# Altium PCB _tracker.PcbDoc (part 2 of 2)
Units mm, origin at the board's own origin, x right, y up, seen from the top; angles counter-clockwise.
Board outline 53 x 30 mm, 4 copper layers (Top Layer, Mid-Layer 1, Mid-Layer 2, Bottom Layer), stack 0.776 mm thick; 83 components, 94 nets, 465 pads, 345 vias.
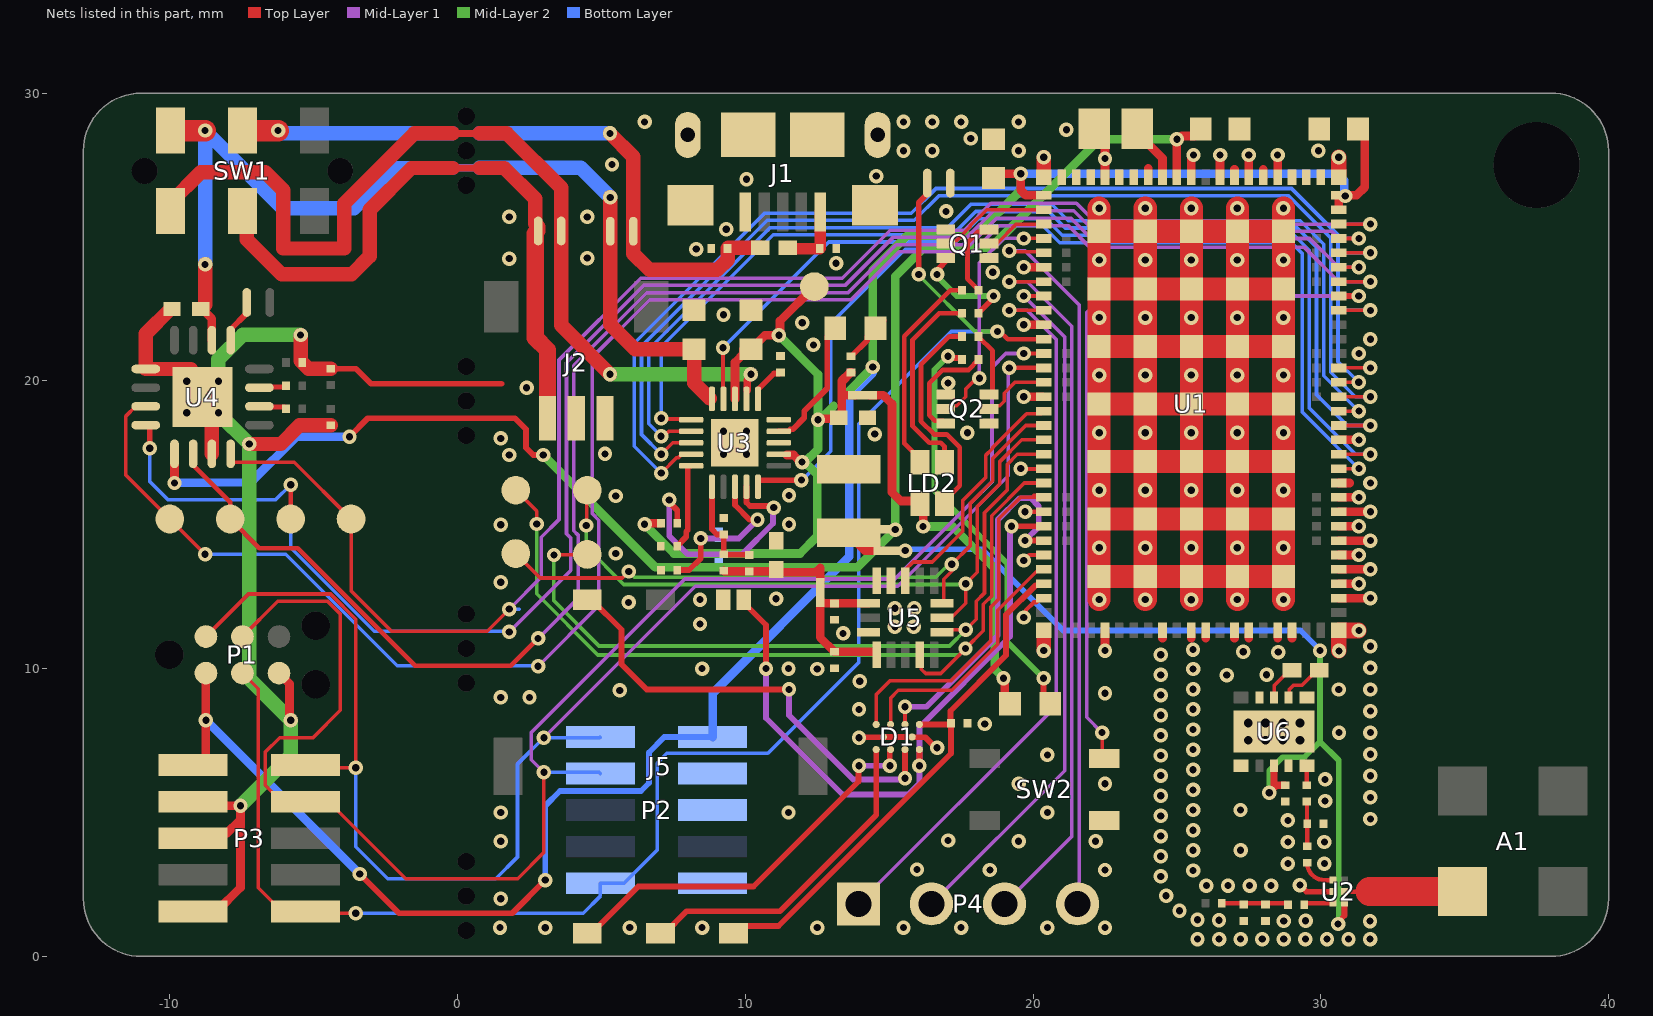
[diagram p4: the nets of this part, all layers, seen from the top]

## Via types
v1: diameter 0.5, hole 0.25, Top Layer to Bottom Layer, tented both sides, 336 vias
v2: diameter 0.61, hole 0.305, Top Layer to Bottom Layer, tented both sides, 8 vias
v3: diameter 0.5, hole 0.25, Top Layer to Bottom Layer, tented top, 1 vias

## Nets (pads, with @x,y where several pads share a name; then routed paths per layer and width w, separated by ;. In a path a pad name is that pad's centre, name@x,y a point inside that pad or via, vN(x,y) a via of type N, cw(c..) or ccw(c..) an arc to the next point about the centre after c; other vN are vias at no path point) (continued)
GND: C1.2 C2.2 C3.2 C4.2 C5.2 C6.2 C7.2 C8.2 C9.2 C10.2 C11.2 C14.2 C15.2 C16.2 C17.2 C18.2 C19.1 C20.2 D1.B1 D1.B2 J1.5 J1.6@8.001,28.55 J1.6@8.101,26.1 J1.6@10.101,28.55 J1.6@12.501,28.55 J1.6@14.501,26.1 J1.6@14.601,28.55 J2.1 J5.C5 L2.1 L5.1 NT1.1 P1.5 P2.3 P2.5 P2.9 P3.3 P3.5 P3.9 Q1.1 Q1.4 Q2.1 Q2.4 R2.1 R3.1 R7.1 RESET.1 SW2.1 U1.1 U1.5 U1.6 U1.7 U1.8 U1.9 U1.11 U1.14 U1.17 U1.21 U1.27 U1.31 U1.36 U1.41 U1.44 U1.47 U1.50 U1.52 U1.56 U1.60 U1.62 U1.63 U1.65 U1.66 U1.68 U1.69 U1.72 U1.74 U1.75 U1.76 U1.77 U1.78 U1.79 U1.80 U1.81 U1.82 U1.85 U1.90 U1.94 U1.98 U1.103 U2.2 U3.15 U4.3 U4.13 U4.17 U5.12 U5.13 U5.16 U6.1 U6.4 U6.6 U6.9 U6.11 | length 199
  Top Layer w0.125: U1.90@30.62,20.45 v1(31.725,20.45) ; U1.94@30.62,22.45 v1(31.725,22.45) ; U1.98@30.62,24.45 v1(31.725,24.45)
  Top Layer w0.152: U4.17@-8.537,18.889 v1(-8.312,18.889) ; v1(19.575,16.95) 19.588,16.937 20.367,16.937 U1.41@20.38,16.95 ; v1(19.675,11.775) 19.742,11.842 19.742,12.016 20.027,12.301 20.111,12.301 20.26,12.45 U1.50@20.38,12.45 ; v1(19.675,13.756) 19.869,13.95 U1.47@20.38,13.95 U1.47@20.308,13.878 ; v1@19.755,15.42 v1(19.725,15.45) U1.44@20.38,15.45 U1.44@20.308,15.378 ; U1.36@20.308,19.378 U1.36@20.38,19.45 ; U1.31@20.308,21.878 U1.31@20.38,21.95
  Top Layer w0.194: v1(29.275,2.475) 29.5,2.25 U2.2@30.425,2.25
  Top Layer w0.2: C19.1@-4.405,20.424 -3.533,20.424 -3.009,19.9 1.525,19.9 ; v1(13.95,7.6) 13.965,7.615 14.79,7.615 D1.B1@14.8,7.625 D1.B2@15.8,7.625 15.81,7.615 16.255,7.615 16.621,7.25 v1(16.668,7.25)
  Top Layer w0.3: P3.9@-9.192,1.565 -8.372,1.565 -7.542,2.395 -7.542,4.755 ; P3.5@-9.192,4.105 -9.037,4.26 -8.037,4.26 -7.542,4.755 ; P3.3@-9.192,5.375 -9.067,5.25 -8.037,5.25 -8.023,5.236 v1(-7.542,5.236) -7.542,4.755 ; P1.5@-6.205,9.844 -5.838,9.478 -5.838,8.247 v1(-5.8,8.208) ; v1(19.675,19.45) U1.36@20.33,19.45 ; v1(19.675,21.95) U1.31@20.332,21.95 ; v1(19.675,23.95) U1.27@20.38,23.95 ; v1(22.5,10.625) U1.56@22.5,11.33 ; U1.17@22.5,27.07 22.5,27.35 C5.2@22.5,28.15 ; v1(23.9,26) 23.9,26.054 v1@24,26.154 ; U1.14@24,27.07 24,27.39 ; 24.5,11.05 U1.60@24.5,11.33 ; 25.5,11.05 U1.62@25.5,11.33 ; U1.11@25.5,27.07 25.5,27.35 25.5,27.775 v1(25.575,27.85) ; 26,11.05 U1.63@26,11.33 ; U1.9@26.5,27.07 26.5,27.35 v1(26.5,27.85) ; 27,11.05 U1.65@27,11.33 ; U1.8@27,27.07 27,27.35 ; 27.5,11.05 U1.66@27.5,11.33 ; U1.7@27.5,27.07 v1(27.5,27.85) ; U1.6@28,27.07 28,27.35 ; 28.5,11.05 U1.68@28.5,11.33 ; U1.5@28.5,27.07 v1(28.5,27.85) ; 29,11.05 U1.69@29,11.33 ; U1.74@30.62,12.45 v1(31.725,12.45) ; U1.75@30.62,12.95 v1(31.325,12.95) ; U1.76@30.62,13.45 v1(31.725,13.45) ; U1.77@30.62,13.95 v1(31.325,13.95) ; U1.78@30.62,14.45 v1(31.725,14.45) ; U1.80@30.62,15.45 31.025,15.45 v1(31.725,15.45) ; U1.81@30.62,15.95 v1(31.325,15.95) ; U1.82@30.62,16.45 31,16.45 ; U1.85@30.62,17.95 v1(31.325,17.95) ; 30.9,14.95 U1.79@30.62,14.95 v1(31.325,14.95)
  Top Layer w0.5: C17.2@-9.925,22.5 -9.975,22.5 -10.837,21.638 U4.13@-10.837,20.414 -9.273,20.414 -9.273,19.85 U4.17@-8.862,19.439 ; U4.3@-8.537,17.464 -8.537,18.889 U4.17@-8.537,19.114 ; v1(-7.242,17.807) -6.139,17.807 -5.491,18.454 C20.2@-4.405,18.454 ; v1(-5.455,21.595) -5.455,20.699 C18.2@-5.395,20.639 -5.18,20.424 C19.1@-4.405,20.424 ; v1(20.375,10.625) U1.52@20.375,11.325 ; U1.21@20.375,27.075 v1(20.375,27.775)
  Top Layer w0.54: U1.72@30.62,11.33 U1.72@30.625,11.325 ; U1.1@30.625,27.075 v1(30.625,27.775) ; v1(30.632,10.617) 30.632,11.318 U1.72@30.625,11.325 ; v1(31.325,11.325) U1.72@30.625,11.325
  Top Layer w0.8: U4.17@-8.862,19.439 U4.17@-8.537,19.114 ; v1(22.3,12.4) U1.103@22.3,13.2 ; v1(22.3,26) U1.103@22.3,25.2 ; v1(23.9,12.4) U1.103@23.9,13.2 ; v1(23.9,26) U1.103@23.9,25.2 ; v1@25.5,12.4 U1.103@25.5,13.2 ; v1(25.5,26) U1.103@25.5,25.2 ; v1(27.1,12.4) U1.103@27.1,13.2 ; v1(27.1,26) U1.103@27.1,25.2 ; v1(28.7,12.4) U1.103@28.7,13.2 ; v1(28.7,26) U1.103@28.7,25.2 ; U1.103@22.3,13.2 v1(22.3,14.2) U1.103@22.3,15.2 ; U1.103@22.3,13.2 U1.103@23.9,13.2 ; U1.103@22.3,15.2 U1.103@23.9,15.2 ; U1.103@22.3,15.2 v1(22.3,16.2) U1.103@22.3,17.2 ; U1.103@22.3,17.2 U1.103@23.9,17.2 ; U1.103@22.3,17.2 v1(22.3,18.2) U1.103@22.3,19.2 ; U1.103@22.3,19.2 U1.103@23.9,19.2 ; U1.103@22.3,19.2 v1(22.3,20.2) U1.103@22.3,21.2 ; U1.103@22.3,21.2 U1.103@23.9,21.2 ; U1.103@22.3,21.2 v1(22.3,22.2) U1.103@22.3,23.2 ; U1.103@22.3,23.2 U1.103@23.9,23.2 ; U1.103@22.3,23.2 v1(22.3,24.2) U1.103@22.3,25.2 ; U1.103@22.3,25.2 U1.103@23.9,25.2 ; U1.103@23.9,13.2 U1.103@25.5,13.2 ; U1.103@23.9,13.2 v1(23.9,14.2) U1.103@23.9,15.2 ; U1.103@23.9,15.2 v1(23.9,16.2) U1.103@23.9,17.2 ; U1.103@23.9,15.2 U1.103@25.5,15.2 ; U1.103@23.9,17.2 U1.103@25.5,17.2 ; U1.103@23.9,17.2 v1(23.9,18.2) U1.103@23.9,19.2 ; U1.103@23.9,19.2 v1(23.9,20.2) U1.103@23.9,21.2 ; U1.103@23.9,19.2 U1.103@25.5,19.2 ; U1.103@23.9,21.2 U1.103@25.5,21.2 ; U1.103@23.9,21.2 v1(23.9,22.2) U1.103@23.9,23.2 ; U1.103@23.9,23.2 v1(23.9,24.2) U1.103@23.9,25.2 ; U1.103@23.9,23.2 U1.103@25.5,23.2 ; U1.103@23.9,25.2 U1.103@25.5,25.2 ; U1.103@25.5,13.2 v1(25.5,14.2) U1.103@25.5,15.2 ; U1.103@25.5,13.2 U1.103@27.1,13.2 ; U1.103@25.5,15.2 U1.103@27.1,15.2 ; U1.103@25.5,15.2 v1(25.5,16.2) U1.103@25.5,17.2 ; U1.103@25.5,17.2 U1.103@27.1,17.2 ; U1.103@25.5,17.2 v1(25.5,18.2) U1.103@25.5,19.2 ; U1.103@25.5,19.2 v1(25.5,20.2) U1.103@25.5,21.2 ; U1.103@25.5,19.2 U1.103@27.1,19.2 ; U1.103@25.5,21.2 U1.103@27.1,21.2 ; U1.103@25.5,21.2 v1(25.5,22.2) U1.103@25.5,23.2 ; U1.103@25.5,23.2 U1.103@27.1,23.2 ; U1.103@25.5,23.2 v1(25.5,24.2) U1.103@25.5,25.2 ; U1.103@25.5,25.2 U1.103@27.1,25.2 ; U1.103@27.1,13.2 U1.103@28.7,13.2 ; U1.103@27.1,13.2 v1(27.1,14.2) U1.103@27.1,15.2 ; U1.103@27.1,15.2 v1(27.1,16.2) U1.103@27.1,17.2 ; U1.103@27.1,15.2 U1.103@28.7,15.2 ; U1.103@27.1,17.2 U1.103@28.7,17.2 ; U1.103@27.1,17.2 v1(27.1,18.2) U1.103@27.1,19.2 ; U1.103@27.1,19.2 v1(27.1,20.2) U1.103@27.1,21.2 ; U1.103@27.1,19.2 U1.103@28.7,19.2 ; U1.103@27.1,21.2 U1.103@28.7,21.2 ; U1.103@27.1,21.2 v1(27.1,22.2) U1.103@27.1,23.2 ; U1.103@27.1,23.2 U1.103@28.7,23.2 ; U1.103@27.1,23.2 v1(27.1,24.2) U1.103@27.1,25.2 ; U1.103@27.1,25.2 U1.103@28.7,25.2 ; U1.103@28.7,13.2 v1(28.7,14.2) U1.103@28.7,15.2 ; U1.103@28.7,15.2 v1(28.7,16.2) U1.103@28.7,17.2 ; U1.103@28.7,17.2 v1(28.7,18.2) U1.103@28.7,19.2 ; U1.103@28.7,19.2 v1(28.7,20.2) U1.103@28.7,21.2 ; U1.103@28.7,21.2 v1(28.7,22.2) U1.103@28.7,23.2 ; U1.103@28.7,23.2 v1(28.7,24.2) U1.103@28.7,25.2
  Mid-Layer 1 w0.125: 30.632,24.451 30.634,24.45 v1(31.725,24.45) ; 30.643,22.45 v1(31.725,22.45)
  Mid-Layer 2 w0.125: 30.632,22.45 v1(31.725,22.45) ; 30.638,24.45 v1(31.725,24.45)
  Mid-Layer 2 w0.5: v1(-8.312,18.889) -8.312,18.877 v1(-7.242,17.807) -7.242,9.65 v1(-5.8,8.208) -5.8,6.978 v1(-7.542,5.236) ; v1(-8.312,19.989) -8.312,20.748 -7.459,21.601 -5.461,21.601 v1(-5.455,21.595)
  other v1: 25.715,0.6 26.465,0.6 27.215,0.6 27.965,0.6 28.715,0.6 29.465,0.6 30.215,0.6 30.965,0.6 31.715,0.6 1.476,1 3.05,0.995 5.984,1 8.5,1 12.5,1 15.5,1 17.5,1 20.5,1 22.5,1 28.712,1.23 29.473,1.235 31.712,1.225 26.462,1.257 25.715,1.269 25.089,1.583 1.5,2 24.624,2.105 26.025,2.459 26.775,2.459 27.525,2.459 28.275,2.459 24.439,2.781 25.564,2.985 15.967,3.019 18.5,3 22.5,3 28.859,3.225 30.125,3.225 24.436,3.481 25.564,3.685 27.216,3.685 28.859,3.975 30.125,3.975 1.5,4 19.5,4 22.175,4 17.05,4.025 24.436,4.18 25.564,4.385 28.859,4.725 31.725,4.775 24.436,4.88 1.5,5 11.5,5 20.5,5 25.564,5.085 27.212,5.085 30.149,5.4 31.725,5.525 24.436,5.58 25.564,5.785 19.5,6 22.5,6 30.149,6.15 24.436,6.28 31.725,6.275 25.564,6.485 24.436,6.98 20.5,7 31.725,7.025 25.564,7.185 24.436,7.68 30.632,7.775 31.725,7.775 25.564,7.885 18.325,8.075 24.436,8.38 31.725,8.525 13.95,8.581 25.564,8.585 1.5,9 2.5,9 24.436,9.08 22.5,9.142 5.634,9.243 25.564,9.285 30.625,9.275 31.725,9.275 13.975,9.561 26.733,9.775 24.436,9.78 28.116,9.789 8.5,10 11.5,10 12.5,9.985 25.564,9.985 31.725,10.025 24.436,10.48 27.305,10.585 28.525,10.575 25.558,10.659 31.725,10.775 13.4,11.225 15.2,11.45 15.85,11.45 8.425,11.551 15.2,12.1 15.875,12.1 5.944,12.3 8.425,12.4 25.5,12.395 11.07,12.426 1.5,13 5.5,14 1.5,15 5.5,16 31.725,16.45 1.8,17.425 5.125,17.464 1.5,18 14.501,18.15 17.719,18.2 -9.412,18.889 2.4,19.764 17.05,19.925 -9.412,19.989 31.325,20.95 12.368,21.249 31.725,21.45 11.977,22.018 9.242,22.3 18.6,23.775 13.155,24.089 1.793,24.25 4.51,24.267 8.294,24.578 9.338,25.267 1.8,25.7 4.51,25.7 16.978,25.89 10.042,27.008 14.548,27.117 5.366,27.519 22.5,27.725 15.5,28 16.5,28 19.5,28 29.918,28 17.838,28.424 21.16,28.724 6.5,29 15.5,29 16.5,29 17.5,29 19.5,29
  other v2: 27.476,7.513 28.076,7.513 28.676,7.513 29.276,7.513 27.476,8.113 28.076,8.113 28.676,8.113 29.276,8.113
GPS_RF: R13.2 U2.1 | length 1.2
  Top Layer w0.15: R13.2@29.525,3.255 ccw(c30.13,3.255) 30.13,2.65 U2.1@30.425,2.65
LTE_RF: L3.2 U2.3 | length 1
  Top Layer w0.15: L3.2@29.429,1.8 29.429,1.85 U2.3@30.425,1.85
NetC1_1: C1.1 L2.2 L3.1 R12.2 | length 2.4
  Top Layer w0.15: R12.2@26.56,1.85 C1.1@27.325,1.85 ; C1.1@27.325,1.8 C1.1@27.325,1.85 ; L2.2@28.078,1.8 L2.2@28.078,1.85 ; L3.1@28.859,1.8 28.859,1.85 L2.2@28.078,1.85 ; C1.1@27.325,1.85 L2.2@28.078,1.85
NetC5_1: C5.1 U1.13 | length 2.1
  Top Layer w0.3: C5.1@23.626,28.762 23.626,28.612 24.5,27.738 U1.13@24.5,27.07
NetC10_1: C10.1 FB1.1 J1.1 | length 2.4
  Top Layer w0.4: FB1.1@11.475,24.625 11.5,24.6 C10.1@12.59,24.6 12.601,24.611 J1.1@12.601,25.875
NetC12_2: C12.2 R4.1 R5.2 U3.6 | length 3.4
  Top Layer w0.2: U3.6@8.842,16.322 8.842,14.84 9.018,14.664 R5.2@9.252,14.664 R4.1@9.252,13.973 ; R4.1@9.385,13.96 10.11,13.96 C12.2@10.122,13.948
NetD1_C1: D1.C1 J5.C2 | length 11.5
  Top Layer w0.2: J5.C2@7.05,0.805 7.2,0.805 7.96,1.565 11.203,1.565 14.55,4.912 D1.C1@14.55,7.19
NetD1_C2: D1.C2 J5.C3 | length 13.8
  Top Layer w0.2: J5.C3@4.51,0.805 4.66,0.805 6.28,2.425 10.283,2.425 13.933,6.075 13.933,6.608 v1(13.95,6.625) ; v1(15.025,6.625) 15.025,7.165 D1.C2@15.05,7.19
  Mid-Layer 1 w0.2: v1(13.95,6.625) v1(15.025,6.625)
NetD1_C3: D1.C3 J5.C7 | length 15.9
  Top Layer w0.2: J5.C7@4.51,12.395 4.66,12.395 5.7,11.355 5.7,10.15 6.573,9.277 v1(11.52,9.277) ; v1(15.55,6.193) D1.C3@15.55,7.19
  Mid-Layer 1 w0.2: v1(11.52,9.277) 11.52,8.383 13.753,6.15 15.507,6.15 v1(15.55,6.193)
NetL1_1: L1.1 U3.13
NetL4_1: L4.1 U6.5 | length 0.7
  Top Layer w0.15: L4.1@29.516,5.952 U6.5@29.516,6.621
  Top Layer w0.194: L4.1@29.511,5.948 L4.1@29.516,5.952 ; U6.5@29.516,6.621 U6.5@29.52,6.625
NetL4_2: L4.2 L5.2 R13.1 | length 1.6
  Top Layer w0.15: L4.2@29.511,5.378 29.519,5.37 29.519,4.62 L5.2@29.526,4.613 ; R13.1@29.525,3.825 L5.2@29.526,4.613
NetL6_1: L6.1 U6.7 | length 1.6
  Top Layer w0.125: U6.7@28.876,9 28.9,9.024 28.9,9.275 29.05,9.425 29.35,9.425 29.875,9.95 L6.1@29.95,9.95
NetL6_2: L6.2 U6.8 | length 1.3
  Top Layer w0.125: U6.8@28.376,9 28.376,9.401 28.925,9.95 L6.2@29,9.95
NetLD1_1: LD1.1 R11.2 | length 14.5
  Top Layer w0.2: v1(17.043,20.853) 17.125,20.853 17.186,20.792 17.499,20.792 17.534,20.757 R11.2@17.534,20.742 ; v1(20.367,9.667) 20.367,9.006 LD1.1@20.598,8.775
  Mid-Layer 2 w0.2: v1(17.043,20.853) 16.575,20.385 16.575,16.184 19.1,13.659 19.1,10.934 v1(20.367,9.667)
NetLD2_1: LD2.1 R8.2 | length 7.3
  Top Layer w0.165: LD2.1@16.075,17.175 16.075,17.275 15.525,17.825 15.525,21.548 17.126,23.149 R8.2@17.534,23.149
NetLD2_2: LD2.2 R9.2 | length 7
  Top Layer w0.165: LD2.2@16.925,17.175 16.925,17.717 16.791,17.851 16.392,17.851 15.815,18.427 15.815,21.427 16.734,22.346 R9.2@17.534,22.346
NetLD2_3: LD2.3 R10.2 | length 7.7
  Top Layer w0.165: LD2.3@16.925,15.725 16.925,15.825 17.458,16.358 17.458,17.686 17.003,18.141 16.56,18.141 16.105,18.596 16.105,20.562 17.087,21.544 R10.2@17.534,21.544
NetLD3_1: LD3.1 U3.14 | length 4.6
  Top Layer w0.2: U3.14@11.167,18.247 11.492,18.247 11.567,18.322 11.656,18.322 12.05,18.716 12.05,18.95 12.846,19.746 12.846,21.544 LD3.1@13.127,21.825
NetLD3_2: LD3.2 R6.2 | length 1.7
  Top Layer w0.2: R6.2@13.675,20.86 13.69,20.86 14.242,21.412 14.242,21.544 LD3.2@14.523,21.825 14.523,21.829 LD3.2@14.804,22.11
NetQ1_3: Q1.3 R9.1 | length 4
  Top Layer w0.2: v1(16.668,23.702) 16.668,23.858 17.077,24.267 Q1.3@16.969,24.267 Q1.3@16.95,24.267 ; R9.1@18.104,22.346 18.104,22.361 18.626,22.883 v1(18.626,22.951)
  Mid-Layer 2 w0.2: v1(16.668,23.702) 16.668,23.632 17.349,22.951 v1(18.626,22.951)
NetQ1_6: Q1.6 R8.1 | length 2.7
  Top Layer w0.165: R8.1@18.104,23.149 18.104,23.164 17.72,23.548 17.72,24.806 17.937,25.023 17.937,25.028 18.083,25.175 18.357,25.175 Q1.6@18.45,25.267
NetQ2_3: Q2.3 R11.1 | length 3.9
  Top Layer w0.165: Q2.3@16.969,18.525 16.877,18.618 16.583,18.618 16.395,18.806 16.395,19.917 16.86,20.383 17.76,20.383 18.104,20.727 R11.1@18.104,20.742
NetQ2_6: Q2.6 R10.1 | length 2.3
  Top Layer w0.165: R10.1@18.104,21.544 18.104,21.529 18.593,21.04 18.593,19.618 18.501,19.525 Q2.6@18.469,19.525
NetR1_2: R1.2 U3.9 | length 8.6
  Top Layer w0.2: v1(7.358,15.865) 7.358,15.784 7.636,15.506 R1.2@7.636,15.053 ; U3.9@10.042,16.322 10.042,15.777 10.168,15.651 10.934,15.651 v1(10.989,15.596)
  Mid-Layer 1 w0.2: v1(7.358,15.865) 7.358,14.607 7.99,13.975 9.897,13.975 10.967,15.046 10.967,15.574 v1(10.989,15.596)
NetR2_2: R2.2 U3.5 | length 3.1
  Top Layer w0.2: R2.2@7.635,14.25 7.635,14.265 7.95,14.58 7.95,14.764 7.996,14.81 7.996,17.047 U3.5@8.117,17.047
NetR3_2: R3.2 U3.8 | length 5.6
  Top Layer w0.2: R3.2@7.636,13.424 8.044,13.424 8.45,13.83 v1(8.45,14.525) ; U3.8@9.642,16.322 9.642,15.685 10.151,15.176 v1(10.426,15.176)
  Mid-Layer 1 w0.2: v1(8.45,14.525) 9.775,14.525 v1(10.426,15.176)
NetR7_2: R7.2 U3.16 | length 1.4
  Top Layer w0.2: U3.16@10.442,19.372 10.442,19.697 11.001,20.256 11.187,20.256 R7.2@11.222,20.291
NetSB3_1: SB3.1 U4.9 | length 1.5
  Top Layer w0.2: U4.9@-7.887,21.414 -7.887,21.786 -7.325,22.348 SB3.1@-7.325,22.725
nRF91_RESET: P1.3 P2.10 P3.10 RESET.2 U1.32 | length 57.9
  Top Layer w0.125: P1.3@-7.475,9.844 -6.929,9.299 -6.929,2.383 -6.112,1.565 P3.10@-5.482,1.565 ; P3.10@-5.492,1.555 P3.10@-5.482,1.565 ; P3.10@-5.292,1.565 P3.10@-5.302,1.565 ; v1(-3.537,1.5) -5.237,1.5 P3.10@-5.302,1.565 ; P3.10@-5.482,1.565 P3.10@-5.302,1.565 ; P3.10@-5.482,1.565 -5.392,1.655 P3.10@-5.302,1.565
  Top Layer w0.152: v1(18.76,21.717) 18.854,21.717 19.121,21.45 U1.32@20.38,21.45
  Top Layer w0.2: v1(16.026,23.701) 16.026,26.199 16.325,26.498 RESET.2@16.325,26.875
  Mid-Layer 2 w0.125: v1(16.026,23.701) 16.026,23.673 17.981,21.717 v1(18.76,21.717)
  Bottom Layer w0.125: v1(-3.537,1.5) 4.365,1.5 4.965,2.1 P2.10@4.965,2.541 5.785,2.541 6.938,3.694 6.938,6.718 7.273,7.054 10.787,7.054 13.95,10.217 13.95,18.514 17.153,21.717 v1(18.76,21.717)
nRF91_SWDCLK: P1.4 P2.4 P3.4 U1.33 | length 55.2
  Top Layer w0.125: P1.4@-7.475,11.114 -6.245,12.344 -4.519,12.344 -4.075,11.9 -4.075,8.549 -5.024,7.6 -6.182,7.6 -6.679,7.103 -6.679,5.943 -6.112,5.375 P3.4@-5.292,5.375 -4.472,5.375 -1.797,2.7 2.09,2.7 2.997,3.607 2.997,6.397 v1(3,6.4) ; v1(19.675,20.95) 20.178,20.95 20.229,21.001 20.33,20.9 U1.33@20.38,20.95
  Mid-Layer 1 w0.125: v1(3,6.4) 2.562,6.837 2.562,7.781 7.895,13.114 15.195,13.114 18.573,16.492 18.573,20.467 19.056,20.95 v1(19.675,20.95)
  Bottom Layer w0.125: v1(3,6.4) 4.916,6.4 P2.4@4.965,6.351
nRF91_SWDIO: P1.2 P2.2 P3.2 U1.34 | length 53.4
  Top Layer w0.125: P1.2@-8.745,11.114 -7.265,12.594 -4.416,12.594 -3.537,11.715 -3.537,6.728 v1@-3.659,6.606 ; P3.2@-4.154,6.555 v1@-3.708,6.555
  Top Layer w0.152: P3.2@-5.292,6.645 -5.202,6.555 P3.2@-4.154,6.555 ; v1@-3.708,6.555 v1(-3.537,6.555) ; v1(19.175,20.45) U1.34@20.13,20.45
  Mid-Layer 1 w0.125: v1(3,7.6) 8.264,12.864 15.299,12.864 19.137,16.703 19.137,20.412 v1(19.175,20.45)
  Bottom Layer w0.125: v1(-3.537,6.555) -3.537,3.812 -2.425,2.7 1.328,2.7 2.083,3.454 2.083,6.683 v1(3,7.6) 4.944,7.6 P2.2@4.965,7.621
P0.00: SW2.2 U1.95 | length 26.1
  Top Layer w0.125: v1(22.4,7.775) 22.4,6.95 SW2.2@22.475,6.875
  Top Layer w0.2: U1.95@30.62,22.95 v1(31.318,22.95)
  Mid-Layer 1 w0.125: v1(22.4,7.775) 21.863,8.312 21.863,22.381 22.431,22.95 v1(31.318,22.95)
P0.01: TP1.1 U1.96 U4.15 | length 62.6
  Top Layer w0.125: U4.15@-10.837,19.114 -11.187,19.114 -11.524,18.777 -11.524,16.724 TP1.1@-10,15.2 v1(-8.775,13.975) ; U1.96@30.62,23.45 v1(31.725,23.45)
  Mid-Layer 1 w0.125: v1(2.8,10.084) 4.913,12.196 4.913,15.156 4.687,15.381 4.687,20.828 6.677,22.817 13.675,22.817 15.344,24.486 17.915,24.486 18.817,25.388 21.233,25.388 21.983,24.637 29.433,24.637 30.62,23.45 v1(31.725,23.45)
  Bottom Layer w0.125: v1(-8.775,13.975) -5.975,13.975 -2.1,10.1 2.784,10.1 v1(2.8,10.084) v1@2.87,10.084
P0.02: TP2.1 U1.97 U4.2 | length 57.1
  Top Layer w0.125: U1.97@30.62,23.95 v1(31.325,23.95)
  Top Layer w0.165: U4.2@-9.187,17.464 -9.187,17.075 -7.9,15.788 TP2.1@-7.9,15.2 -6.885,14.185 -5.562,14.185 -1.477,10.1 1.85,10.1 v1(2.8,11.05)
  Mid-Layer 1 w0.125: v1(2.8,11.05) 4.188,12.438 4.188,14.644 4.037,14.794 4.037,20.531 6.574,23.067 13.572,23.067 15.24,24.736 17.811,24.736 18.73,25.654 21.32,25.654 22.024,24.95 29.62,24.95 30.62,23.95 v1(31.325,23.95)
  Bottom Layer w0.125: v1(2.8,11.05) v1@2.8,11.207
P0.03: TP3.1 U1.99 U4.16 | length 60.8
  Top Layer w0.125: U1.99@30.62,24.95 v1(31.325,24.95)
  Top Layer w0.165: TP3.1@-5.8,15.2 v1(-5.8,16.391)
  Top Layer w0.2: U4.16@-10.837,18.464 -10.746,18.464 -10.7,18.418 v1(-10.7,17.656)
  Mid-Layer 1 w0.125: v1(1.8,11.275) 3.938,13.413 3.938,14.54 3.787,14.69 3.787,20.635 6.47,23.317 13.468,23.317 15.137,24.986 17.708,24.986 18.63,25.908 21.42,25.908 22.128,25.2 30.37,25.2 30.62,24.95 v1(31.325,24.95)
  Bottom Layer w0.125: v1(-10.7,17.656) -10.7,16.5 -10.065,15.865 -6.326,15.865 v1(-5.8,16.391) -5.8,14.2 -2.9,11.3 1.775,11.3 v1(1.8,11.275)
P0.04: TP4.1 U1.100 U4.4 | length 55.7
  Top Layer w0.125: U4.4@-7.887,17.464 -7.887,17.257 -7.806,17.177 -5.677,17.177 TP4.1@-3.7,15.2 -3.7,12.705 -2.295,11.3 1.031,11.3 v1(1.8,12.069) ; U1.100@30.62,25.45 v1(31.725,25.45)
  Mid-Layer 1 w0.125: v1(1.8,12.069) 2.912,13.181 2.912,14.569 3.525,15.181 3.525,20.726 6.367,23.567 13.365,23.567 15.033,25.236 17.604,25.236 18.542,26.174 21.508,26.174 22.231,25.45 v1(31.725,25.45)
  Bottom Layer w0.125: v1(1.8,12.069) 2.137,12.069
P0.05: U1.2
P0.06: U1.3
P0.07: U1.4
P0.08: U1.15
P0.09: U1.16
P0.10: U1.18
P0.11: U1.19
P0.12: U1.20
P0.13/AIN0: Q1.2 U1.23 | length 3.9
  Top Layer w0.125: Q1.2@16.969,24.767 17.082,24.88 17.347,24.88 17.823,25.356 17.823,25.386 18.386,25.95 U1.23@20.38,25.95
P0.14/AIN1: Q1.5 U1.24 | length 2.2
  Top Layer w0.125: Q1.5@18.45,24.767 Q1.5@18.469,24.767 18.734,24.767 19.417,25.45 U1.24@20.38,25.45
P0.15/AIN2: Q2.2 U1.25 | length 8.4
  Top Layer w0.125: Q2.2@16.969,19.025 17.082,19.138 17.347,19.138 17.663,19.453 17.663,19.72 18.034,20.091 v1(18.136,20.091) ; v1(19.675,24.95) U1.25@20.38,24.95
  Mid-Layer 1 w0.125: v1(18.136,20.091) 18.136,24.104 18.994,24.963 19.662,24.963 v1(19.675,24.95)
P0.16/AIN3: P4.4 U1.26 | length 25.3
  Top Layer w0.125: v1(19.175,24.525) 19.212,24.488 20.343,24.488 U1.26@20.38,24.45
  Mid-Layer 1 w0.125: v1(19.175,24.525) 19.188,24.512 19.731,24.512 21.6,22.644 21.6,1.875 P4.4@21.55,1.825
P0.17/AIN4: P4.3 U1.28 | length 25.2
  Top Layer w0.125: v1(19.175,23.45) 20.365,23.45 20.372,23.458 U1.28@20.38,23.45
  Top Layer w0.152: U1.28@20.308,23.378 U1.28@20.38,23.45
  Mid-Layer 1 w0.125: P4.3@19.01,1.825 21.35,4.165 21.35,21.894 19.794,23.45 v1(19.175,23.45)
P0.18/AIN5: P4.2 U1.29 | length 24.4
  Top Layer w0.125: v1(19.675,22.95) 20.128,22.95 20.179,23.001 20.305,22.875 U1.29@20.38,22.95
  Mid-Layer 1 w0.125: P4.2@16.47,1.825 21.1,6.455 21.1,21.525 v1(19.675,22.95)
P0.19/AIN6: P4.1 U1.30 | length 25.7
  Top Layer w0.125: v1(19.175,22.45) 19.329,22.45 U1.30@20.38,22.45
  Mid-Layer 1 w0.125: P4.1@13.93,1.825 20.813,8.708 20.813,21.431 19.794,22.45 v1(19.175,22.45)
P0.20/AIN7: Q2.5 U1.35 | length 2.5
  Top Layer w0.125: Q2.5@18.469,19.025 18.582,19.138 18.847,19.138 18.999,19.29 18.999,19.574 19.375,19.95 U1.35@20.38,19.95
P0.21: U1.37 U5.11 | length 8.6
  Top Layer w0.125: U5.11@15.562,13.054 15.562,13.432 15.835,13.704 16.496,13.704 17.562,14.771 17.562,15.844 18.35,16.631 18.35,17.404 18.6,17.654 18.6,17.687 19.776,18.863 20.293,18.863 U1.37@20.38,18.95
P0.22: TP5.1 U1.38 U5.8 | length 23.9
  Top Layer w0.125: TP5.1@2.025,14 2.875,13.15 5.725,13.15 v1(5.95,13.375) ; U5.8@16.837,12.267 16.9,12.267 16.9,13.106 17.176,13.382 v1(17.176,13.626) 17.812,14.262 17.812,15.74 18.6,16.528 18.6,17.301 19.749,18.45 U1.38@20.38,18.45
  Mid-Layer 2 w0.125: v1(5.95,13.375) 6.15,13.175 16.624,13.175 17.074,13.626 v1(17.176,13.626)
P0.23: TP8.1 U1.39 U5.7 | length 23.8
  Top Layer w0.125: v1(4.475,14.975) 4.493,14.992 4.493,16.18 TP8.1@4.51,16.198 ; U5.7@16.837,11.767 17.087,11.767 17.146,11.825 17.211,11.825 17.662,12.277 v1(17.662,12.95) 18.062,13.35 18.062,15.637 18.85,16.424 18.85,17.197 19.603,17.95 U1.39@20.38,17.95
  Mid-Layer 2 w0.125: v1(4.475,14.975) 4.475,14.231 5.781,12.925 17.425,12.925 v1@17.45,12.95
P0.24: TP7.1 U1.40 U5.6 | length 26.6
  Top Layer w0.125: v1(3.35,13.95) 3.36,13.96 4.5,13.96 TP7.1@4.51,13.971 ; U5.6@16.837,11.267 16.925,11.354 v1(17.662,11.354) 18.025,11.717 18.025,12.341 18.312,12.628 18.312,15.42 19.1,16.207 19.1,17.094 19.456,17.45 U1.40@20.38,17.45
  Mid-Layer 2 w0.125: v1(3.35,13.95) 3.35,12.354 4.916,10.787 17.096,10.787 v1(17.662,11.354)
P0.25: TP6.1 U1.42 U5.4 | length 29.5
  Top Layer w0.125: TP6.1@2.025,16.2 2.75,15.475 v1(2.75,15.025) ; U5.4@16.062,10.479 16.117,10.425 16.117,9.983 16.271,9.829 16.79,9.829 17.654,10.693 v1(17.654,10.7) 18.275,11.321 18.275,12.237 18.562,12.525 18.562,15.312 19.7,16.45 U1.42@20.38,16.45
  Mid-Layer 2 w0.125: v1(2.75,15.025) 2.75,12.6 4.875,10.475 17.429,10.475 v1(17.654,10.7)
P0.26: U1.83 U3.10 | length 34.8
  Top Layer w0.125: U1.83@30.62,16.95 v1(31.325,16.95)
  Top Layer w0.2: U3.10@10.442,16.322 10.442,16.551 v1(11.951,16.551)
  Mid-Layer 1 w0.125: v1(11.951,16.551) v1@11.969,16.551
  Bottom Layer w0.125: v1@11.969,16.551 12.975,17.557 12.975,21.994 15.559,24.578 17.407,24.578 18.217,25.388 20.337,25.388 20.925,24.8 28.989,24.8 29.35,24.439 29.35,18.925 v1(31.325,16.95)
P0.27: U1.84 U3.19 | length 33.9
  Top Layer w0.125: U1.84@30.624,17.454 U1.84@30.62,17.45 31.717,17.45 v1@31.725,17.458
  Top Layer w0.15: v1(9.225,21.15) 9.225,19.8 9.242,19.783 U3.19@9.242,19.372
  Bottom Layer w0.125: v1(9.225,21.15) 12.903,24.828 17.303,24.828 18.113,25.638 20.441,25.638 21.016,25.062 29.08,25.062 29.6,24.543 29.6,19.056 31.206,17.45 v1(31.725,17.45)
P0.28: U1.86 U3.1 | length 37.3
  Top Layer w0.125: v1(7.079,18.701) 7.106,18.674 8.09,18.674 U3.1@8.117,18.647 ; U1.86@30.62,18.45 v1(31.725,18.45)
  Bottom Layer w0.125: v1(7.079,18.701) 7.079,21.182 10.975,25.078 17.2,25.078 18.01,25.888 20.545,25.888 21.12,25.312 29.184,25.312 29.85,24.646 29.85,19.518 30.918,18.45 v1(31.725,18.45)
P0.29: U1.87 U3.2 | length 37.4
  Top Layer w0.125: v1(7.075,18.076) 7.177,18.076 7.348,18.247 U3.2@8.117,18.247 ; U1.87@30.62,18.95 v1(31.325,18.95)
  Bottom Layer w0.125: v1(7.075,18.076) 6.642,18.51 6.642,21.098 10.871,25.328 17.034,25.328 17.844,26.138 20.648,26.138 21.223,25.562 29.288,25.562 30.1,24.75 30.1,20.175 v1(31.325,18.95)
P0.30: U1.88 U3.3 | length 39.5
  Top Layer w0.125: v1(7.079,17.45) 7.081,17.45 7.478,17.847 U3.3@8.117,17.847 ; U1.88@30.62,19.45 v1(31.725,19.45)
  Bottom Layer w0.125: v1(7.079,17.45) 6.392,18.137 6.392,21.201 10.768,25.578 15.871,25.578 16.731,26.438 28.881,26.438 30.35,24.969 30.35,20.299 31.199,19.45 v1(31.725,19.45)
P0.31: U1.89 U3.4 | length 39.7
  Top Layer w0.125: v1(7.077,16.795) 7.617,17.335 7.679,17.335 7.792,17.447 U3.4@8.117,17.447 ; U1.89@30.62,19.95 v1(31.318,19.95)
  Bottom Layer w0.125: v1(7.077,16.795) 6.142,17.73 6.142,21.305 10.664,25.828 15.767,25.828 16.627,26.688 28.985,26.688 30.6,25.072 30.6,20.668 v1(31.318,19.95)
PGND: C13.2 NT1.2 R5.1 U3.21
  other v1: 11.52,15.02 11.52,16.019 9.242,17.447 10.042,17.447 9.242,18.247 10.042,18.247
RF: A1.1 U2.5 | length 3.8
  Top Layer w0.15: U2.5@30.825,2.25 31.375,2.25
  Top Layer w1: 31.7,2.25 A1.1@34.925,2.25
SIM_CLK: D1.A2 U1.48 | length 8.9
  Top Layer w0.125: D1.A2@15,8 D1.A2@15,8.06 ; D1.A2@15.05,8.06 15.05,8.982 15.318,9.25 17.176,9.25 18.775,10.849 18.775,12.03 20.195,13.45 U1.48@20.38,13.45
SIM_DET: D1.C4 J5.CD U1.45 | length 23
  Top Layer w0.2: J5.CD@9.94,12.395 9.94,12.295 10.721,11.514 v1(10.721,10) ; v1@16.05,6.626 D1.C4@16.05,7.19 ; v1(19.25,14.95) U1.45@20.38,14.95
  Mid-Layer 1 w0.2: v1(10.721,10) 10.721,8.279 13.375,5.625 15.654,5.625 16.051,6.022 16.051,7.965 19.2,11.114 19.2,14.9 v1(19.25,14.95)
  other v1: 16.051,6.625
SIM_IO: D1.A3 U1.46 | length 12.9
  Top Layer w0.125: D1.A3@15.55,8.06 v1(15.55,8.675)
  Top Layer w0.152: U1.46@20.308,14.378 U1.46@20.38,14.45
  Top Layer w0.2: v1(19.725,14.45) U1.46@20.38,14.45
  Mid-Layer 1 w0.2: v1(15.55,8.675) 16.301,8.675 18.775,11.149 18.775,15.172 19.528,15.925 19.922,15.925 20.2,15.647 20.2,14.925 v1(19.725,14.45)
SIM_RST: D1.A1 U1.43 | length 12.3
  Top Layer w0.125: D1.A1@14.55,8.06 14.55,9.1 15.029,9.579 17.152,9.579 18.525,10.952 18.525,12.134 18.812,12.421 18.812,15.209 19.554,15.95 U1.43@20.38,15.95 ; 20.035,16.025 U1.43@20.275,16.025
THERM: J2.2
USBD_N: R14.2 U4.7 | length 1
  Top Layer w0.165: U4.7@-6.868,19.783 R14.2@-6,19.783
  Top Layer w0.2: U4.7@-6.887,19.764 U4.7@-6.868,19.783 ; R14.2@-6,19.783 -5.965,19.818 R14.2@-5.965,19.828
USBD_P: R15.2 U4.6 | length 1
  Top Layer w0.165: U4.6@-6.887,19.114 -6.861,19.088 -6.017,19.088 -5.965,19.036 R15.2@-5.965,19.028
VBAT: SB2.2 SW1.6 U3.17 | length 32.6
  Top Layer w0.25: -0.168,28.6 0.762,28.6 ; U3.17@10.067,19.672 10.067,20.036 10.196,20.165 v1(10.196,20.232)
  Top Layer w0.5: SW1.6@-9.975,25.9 -9.975,26.2 -8.925,27.25 -6.683,27.25 -6.055,26.622 -6.055,24.6 -3.936,24.6 -3.936,26.164 -1.5,28.6 -0.168,28.6 ; 0.762,28.6 1.71,28.6 3.6,26.71 SB2.2@3.6,25.21 3.6,21.932 v1(5.3,20.232)
  Mid-Layer 2 w0.5: v1(5.3,20.232) v1(10.196,20.232)
VBAT': J2.3 SB2.1 SW1.5 | length 22.2
  Top Layer w0.25: -0.168,27.4 0.762,27.4
  Top Layer w0.5: SW1.5@-7.475,25.9 -7.325,25.75 -7.325,24.915 -6.11,23.7 -3.686,23.7 -3.048,24.338 -3.048,25.952 -1.6,27.4 -0.168,27.4 ; 0.762,27.4 1.625,27.4 2.7,26.325 2.7,25.46 2.8,25.36 SB2.1@2.8,25.21
  Top Layer w0.6: SB2.1@2.7,25.11 2.7,21.5 3.125,21.075 J2.3@3.125,18.7
VBUS: C8.1 C17.1 SB1.2 SW1.3 U3.20 U4.10 | length 34.4
  Top Layer w0.3: C17.1@-8.875,22.5 -8.537,22.162 U4.10@-8.537,21.414
  Top Layer w0.5: C17.1@-8.925,22.5 -8.875,22.5 -8.875,22.55 -8.775,22.65 v1(-8.775,24.05) ; SB1.2@5.31,24.95 5.31,21.96 6.17,21.1 8.2,21.1 C8.1@8.225,21.1 8.225,19.925 U3.20@8.763,19.388 ; SB1.2@5.31,25.05 SB1.2@5.31,25.2 v1(5.31,26.378)
  Top Layer w0.75: SW1.3@-9.975,28.7 v1(-8.775,28.7)
  Bottom Layer w0.25: -0.178,27.407 0.762,27.407
  Bottom Layer w0.5: v1(-8.775,24.05) v1(-8.775,28.7) -6.075,26 -3.6,26 -2.2,27.4 -0.184,27.4 ; 0.762,27.407 4.281,27.407 v1(5.31,26.378)
VBUS': C9.1 FB1.2 SB1.1 SW1.2 | length 22.5
  Top Layer w0.5: v1(5.3,28.6) 6.11,27.79 SB1.1@6.11,25.2 6.11,24.422 6.672,23.86 9.032,23.86 9.385,24.213 C9.1@9.385,24.6 9.41,24.625 FB1.2@10.525,24.625
  Top Layer w0.75: SW1.2@-7.475,28.7 v1(-6.235,28.7)
  Bottom Layer w0.25: -0.178,28.6 0.762,28.6
  Bottom Layer w0.5: v1(-6.235,28.7) -6.135,28.6 -0.178,28.6 ; 0.763,28.6 v1(5.3,28.6)
VDD_ACC: C14.1 C15.1 NT4.2 U5.1 U5.14 | length 5.3
  Top Layer w0.3: NT4.2@12.6,12.4 NT4.2@12.6,12.3 ; U5.14@14.288,12.267 C14.1@13.1,12.267 12.633,12.267 NT4.2@12.6,12.3 ; U5.1@14.562,10.479 14.562,10.585 C15.1@13.1,10.585 12.6,11.085 NT4.2@12.6,12.3
VDD_GPIO: C4.1 NT5.2 U1.12 U4.1 | length 52.8
  Top Layer w0.2: v1(-3.756,18.062) -3.118,18.7 2,18.7 2.378,18.322 2.378,17.678 2.631,17.425 v1(2.975,17.425)
  Top Layer w0.3: v1(-9.837,16.45) U4.1@-9.837,17.326 ; U1.12@25,27.07 v1(25,28.4) 25.054,28.4 25.166,28.512 25.6,28.512 25.825,28.737 C4.1@25.825,28.762
  Mid-Layer 2 w0.3: v1(2.975,17.425) 6.875,13.525 13.904,13.525 v1(15.21,14.831) 15.21,23.628 16.207,24.625 18.533,24.625 22.308,28.4 v1(25,28.4)
  Bottom Layer w0.3: v1(-9.837,16.45) -7.185,16.475 -5.599,18.062 v1(-3.756,18.062)
VDD_nRF91: C3.1 C6.1 NT2.2 P1.1 P2.1 P3.1 U1.22 U1.101 U1.102 | length 73.5
  Top Layer w0.2: v1(-3.4,2.863) -2.037,1.5 1.9,1.5 v1(3.05,2.65)
  Top Layer w0.3: P3.1@-9.244,6.593 P3.1@-9.192,6.645 -8.975,6.645 -8.745,6.875 v1(-8.745,8.208) P1.1@-8.745,9.844 ; C6.1@18.626,27.05 18.776,27.2 19.425,27.2 v1@19.575,27.05 ; v1(19.575,27.2) v1@19.575,27.05 ; U1.22@20.38,26.45 19.748,26.45 19.575,26.623 v1@19.575,27.05 ; U1.101@30.62,25.95 30.62,26.352 U1.102@30.718,26.45 ; U1.102@30.62,26.45 U1.102@30.718,26.45 ; U1.102@30.74,26.45 U1.102@30.718,26.45 ; v1(30.849,26.425) 30.849,26.45 31.244,26.45 31.525,26.731 31.525,28.532 C3.1@31.295,28.762
  Mid-Layer 2 w0.3: NT2.2@13.429,19.479 v1(14.431,20.481) 14.431,23.856 15.625,25.05 17.995,25.05 19.575,26.63 v1(19.575,27.2)
  Bottom Layer w0.2: v1(3.05,2.65) 3.05,5.236 3.56,5.746 6.371,5.746 6.65,6.025 6.65,7.084 7.187,7.621 P2.1@8.865,7.621
  Bottom Layer w0.3: v1(-8.745,8.208) v1(-3.4,2.863) ; P2.1@8.865,7.621 8.865,9.147 13.613,13.895 13.613,19.463 14.431,20.281 v1(14.431,20.481) ; v1(19.575,27.2) 30.575,27.2 30.811,26.964 30.811,26.463 v1(30.849,26.425)
VDD_RF: C2.1 NT6.2 U2.4 U6.3 | length 30.7
  Top Layer w0.2: v1(30.601,1.125) 30.601,1.194 30.825,1.418 U2.4@30.825,1.85
  Top Layer w0.25: U6.3@28.376,6.625 28.376,5.852 28.472,5.948 C2.1@28.761,5.948
  Mid-Layer 2 w0.2: v1(28.213,5.688) 28.213,6.462 28.675,6.924 29.437,6.924 29.975,7.462 ; v1(29.975,10.625) 29.975,7.462 ; v1(30.601,1.125) 30.624,1.148 30.624,6.813 29.975,7.462
  Bottom Layer w0.2: v1(15.562,14.1) 15.613,14.151 18.224,14.151 21.05,11.325 29.299,11.325 29.975,10.649 v1(29.975,10.625) v1@29.975,10.603
VDD_SIM: C16.1 D1.A4 J5.C1 U1.49 | length 18.6
  Top Layer w0.2: J5.C1@9.59,0.805 9.84,1.055 11.152,1.055 17.15,7.053 C16.1@17.15,8.1 ; D1.A4@16.05,8.06 17.075,8.06 17.13,8.115 17.13,8.53 19.063,10.463 19.063,11.871 20.092,12.9 20.33,12.9 U1.49@20.38,12.95
VLED: LD1.2 LD2.4 NT3.2 | length 13.9
  Top Layer w0.3: NT3.2@14.325,19.5 14.8,19.5 15.1,19.2 15.1,16.125 15.4,15.825 LD2.4@16.05,15.825 ; LD2.4@16.075,15.725 16.181,15.619 v1(16.181,14.94) ; v1(18.975,9.667) 19.013,9.628 19.013,8.963 LD1.2@19.202,8.775
  Mid-Layer 2 w0.3: v1(16.181,14.94) 17.205,14.94 18.675,13.47 18.675,9.967 v1(18.975,9.667)
VREG: C12.1 C13.1 L1.2 NT4.1 NT5.1 NT6.1 R4.2 | length 7.3
  Top Layer w0.3: R4.2@9.252,13.403 9.277,13.378 C12.1@10.142,13.378 11,13.378 C13.1@11.07,13.448 11.168,13.35 12.45,13.35 12.6,13.5 NT4.1@12.6,12.9 ; L1.2@12.65,14.375 13,14.725 L1.2@13.6,14.725 ; L1.2@14.207,14.603 14.085,14.725 L1.2@13.6,14.725 ; NT6.1@14.71,14.1 14.15,14.1 14.15,14.11 13.6,14.66 L1.2@13.6,14.725
VSYS: C7.1 C11.1 NT2.1 NT3.1 pad.1 R1.1 R6.1 U3.12 U3.18 | length 25.5
  Top Layer w0.3: v3(6.5,15.02) 6.533,15.053 R1.1@7.066,15.053 ; U3.18@9.642,19.372 9.642,20.642 9.94,20.94 C7.1@9.94,21.1 ; C7.1@10.2,21.1 10.683,21.583 v1(11.168,21.583) 11.206,21.621 11.206,22.081 pad.1@12.4,23.275 ; U3.12@11.442,17.422 11.676,17.422 11.923,17.176 v1(11.976,17.176) ; v1(12.525,18.65) 12.562,18.687 13.214,18.687 13.352,18.825 13.352,19.5 ; C11.1@13.225,18.75 C11.1@13.25,18.725 ; NT3.1@13.825,19.5 13.352,19.5 ; 13.352,19.5 13.352,19.967 ; 13.352,19.967 13.352,20.002 13.64,20.29 R6.1@13.675,20.29 13.352,19.967
  Mid-Layer 2 w0.3: v3@6.53,15.05 v3(6.5,15.02) 7.52,14 11.9,14 12.5,14.6 12.5,16.744 12.168,17.076 12.13,17.076 v1@12.053,17.152 ; v1(11.168,21.583) 12.525,20.225 v1(12.525,18.65) ; v1@11.937,17.138 v1(11.976,17.176) 12.03,17.176 v1@12.053,17.152 ; NT2.1@13.075,19.125 12.638,18.688 12.563,18.688 v1(12.525,18.65) ; v1@12.053,17.152 12.525,17.624 v1(12.525,18.65)
pads on no net: A1.2 A1.3 A1.4 H1. J1.4 J1.6@8.001,28.55 J1.6@14.601,28.55 J2.0 J5.C4 J5.C6 J5.C8 P1.0 P1.6 P2.6 P2.7 P2.8 P3.6 P3.7 P3.8 SW1.0 SW1.1 SW1.4 SW2.0 U1.10 U1.51 U1.53 U1.54 U1.55 U1.57 U1.58 U1.59 U1.64 U1.70 U1.71 U1.73 U1.104 U1.105 U1.106 U1.107 U1.108 U1.109 U1.110 U1.111 U1.112 U1.113 U1.114 U1.115 U1.116 U1.117 U1.118 U1.119 U1.120 U1.121 U1.122 U1.123 U1.124 U1.125 U1.126 U1.127 U3.7 U3.11 U4.5 U4.11 U4.12 U4.14 U5.2 U5.3 U5.5 U5.9 U5.10 U5.15 U6.

## Polygon pours and split planes (outlines as drawn)
GND on Top Layer "Top_Layer-GND" (solid, remove dead copper, pour order 46): -0.4,32.791 -0.4,-2.05 35.7,-2.05 35.7,32.791
PGND on Top Layer "PGND_Top" (solid, pour order 42): 9.034,14.831 9.642,14.831 9.642,13.9 12.35,13.9 12.35,16.899 9.034,16.899
NetL1_1 on Top Layer "NETL1_1_L01_P038" (solid, pour order 38): 10.795,18 11.786,18 11.936,18.15 13.975,18.15 14.7,17.425 14.7,16.85 12.65,16.85 12.65,17.2 12.133,17.717 10.795,17.717
VREG on Top Layer "VREG_L01_P039" (solid, pour order 39): 11.075,13.75 12.3,13.75 12.5,13.95 12.5,15.2 14.7,15.2 14.7,14.225 13.625,13.15 11.075,13.15
GND on Bottom Layer "Bottom_Layer-GND" (solid, remove dead copper, pour order 49): -0.8,32.28 -0.8,-4.075 36.875,-4.075 36.875,32.28
PGND on Bottom Layer "PGND_Bottom" (solid, pour order 45): 7.2,20.3 7.2,14.103 12,14.103 12,20.3
GND on Bottom Layer "Bottom Layer-No Net 1" (solid, remove dead copper, pour order 53): -9.9,20.4 -7.8,20.4 -7.8,18.4 -9.9,18.4
GND on Bottom Layer "Bottom Layer-No Net" (solid, pour order 51): -10,20.576 -7.777,20.576 -7.777,18.3 -10,18.3
GND on Mid-Layer 2 "Mid_Layer_2-GND" (solid, remove dead copper, pour order 48): -1.2,31.583 -1.2,-1.4 35.2,-1.4 35.2,31.583
PGND on Mid-Layer 2 "PGND_Mid2" (solid, pour order 44): 7.2,20.3 7.2,14.1 12,14.1 12,20.3
GND on Mid-Layer 1 "Mid_Layer_1-GND" (solid, remove dead copper, pour order 47): -1.5,30.671 -1.5,-0.675 35.65,-0.675 35.65,30.671
PGND on Mid-Layer 1 "PGND_Mid1" (solid, pour order 43): 7.2,20.3 7.2,14.1 12,14.1 12,20.3

## Keep-outs
Keep-Out Layer:
  lines w0.254: -2,4.3 -2,4.201 -1.962,4.008 -1.886,3.826 -1.777,3.663 -1.637,3.523 -1.474,3.414 -1.292,3.338 -1.099,3.3 -1,3.3 ; -2,4.3 -2,4.3 ; -2,4.3 -2,8.5 -2,8.598 -1.962,8.792 -1.886,8.974 -1.777,9.137 -1.637,9.277 -1.474,9.386 -1.292,9.462 -1.098,9.5 -1,9.5 ; -2,12.9 -2,12.801 -1.962,12.608 -1.886,12.426 -1.777,12.263 -1.637,12.123 -1.474,12.014 -1.292,11.938 -1.099,11.9 -1,11.9 ; -2,12.9 -2,12.9 ; -2,12.9 -2,17.1 -2,17.198 -1.962,17.392 -1.886,17.574 -1.777,17.737 -1.637,17.877 -1.474,17.986 -1.292,18.062 -1.098,18.1 -1,18.1 ; -1,3.3 -0.902,3.3 -0.708,3.338 -0.526,3.414 -0.363,3.523 -0.223,3.663 -0.114,3.826 -0.038,4.008 0,4.201 0,4.3 0,8.5 ; -1,3.3 -1,3.3 ; -1,9.5 -1,9.5 ; -1,9.5 -0.902,9.5 -0.708,9.462 -0.526,9.386 -0.363,9.277 -0.223,9.137 -0.114,8.974 -0.038,8.792 0,8.598 0,8.5 ; -1,11.9 -0.902,11.9 -0.708,11.938 -0.526,12.014 -0.363,12.123 -0.223,12.263 -0.114,12.426 -0.038,12.608 0,12.801 0,12.9 0,17.1 ; -1,11.9 -1,11.9 ; -1,18.1 -1,18.1 ; -1,18.1 -0.902,18.1 -0.708,18.062 -0.526,17.986 -0.363,17.877 -0.223,17.737 -0.114,17.574 -0.038,17.392 0,17.198 0,17.1 ; -1,26.7 -1.098,26.7 -1.292,26.662 -1.474,26.586 -1.637,26.477 -1.777,26.337 -1.886,26.174 -1.962,25.992 -2,25.799 -2,25.7 -2,21.5 -2,21.401 -1.962,21.208 -1.886,21.026 -1.777,20.863 -1.637,20.723 -1.474,20.614 -1.292,20.538 -1.098,20.5 -1,20.5 -0.902,20.5 -0.708,20.538 -0.526,20.614 -0.363,20.723 -0.223,20.863 -0.114,21.026 -0.038,21.208 0,21.402 0,21.5 0,25.7 ; -1,26.7 -1,26.7 ; -1,26.7 -0.902,26.7 -0.708,26.662 -0.526,26.586 -0.363,26.477 -0.223,26.337 -0.114,26.174 -0.038,25.992 0,25.799 0,25.7 ; 0,8.5 0,8.5 ; 0,17.1 0,17.1 ; 0,25.7 0,25.7 ; -13,1.803 -13,2 -13,28 -13,28.197 -12.923,28.583 -12.772,28.947 -12.553,29.275 -12.275,29.553 -11.947,29.772 -11.583,29.923 -11.197,30 -11,30 -7,30 -1.98,30 -1.962,29.908 -1.886,29.726 -1.777,29.563 -1.637,29.423 -1.474,29.314 -1.292,29.238 -1.098,29.2 -0.902,29.2 -0.708,29.238 -0.526,29.314 -0.363,29.423 -0.223,29.563 -0.114,29.726 -0.038,29.908 -0.02,30 30,30 38,30 38.197,30 38.583,29.923 38.947,29.772 39.275,29.553 39.554,29.275 39.772,28.947 39.923,28.583 40,28.197 40,28 40,2 40,1.803 39.923,1.417 39.772,1.053 39.553,0.725 39.275,0.446 38.947,0.228 38.583,0.077 38.197,0 38,0 33,0 0,0 -0.038,0.192 -0.114,0.374 -0.223,0.537 -0.363,0.677 -0.526,0.786 -0.708,0.862 -0.902,0.9 -1.098,0.9 -1.292,0.862 -1.474,0.786 -1.637,0.677 -1.777,0.537 -1.886,0.374 -1.962,0.192 -2,0 -5,0 -11,0 -11.197,0 -11.583,0.077 -11.947,0.228 -12.275,0.447 -12.554,0.725 -12.772,1.053 -12.923,1.417 -13,1.803

## Other copper
Top Layer:
  pour cut-out: 14.471,21.219 14.471,19.784 15.242,19.784 15.242,21.219
  pour cut-out: 14.741,15.903 14.741,15.278 15.561,15.278
  pour cut-out: 14.7,16.275
  pour cut-out: 2,27
  pour cut-out: 12.45,16.924 12.45,14.725 14.7,14.725 14.7,16.924
  pour cut-out: 8.661,18.828 10.617,18.828 10.617,16.872 8.661,16.872
  pour cut-out: 8.661,18.853
Mid-Layer 1:
  pour cut-out: 31.2,3.05 31.2,1.45 32,1.45 32,3.05
  pour cut-out: 26.875,1.55 25.675,1.55 25.675,2.15 26.875,2.15
  pour cut-out: 27.625,2.115 27.625,0.915 27.025,0.915 27.025,2.115
  pour cut-out: 28.378,2.115 28.378,0.915 27.778,0.915 27.778,2.115
  pour cut-out: 28.544,2.1 29.744,2.1 29.744,1.5 28.544,1.5
  pour cut-out: 29.825,4.14 29.825,2.94 29.225,2.94 29.225,4.14
  pour cut-out: 30.411,4.313 29.211,4.313 29.211,4.913 30.411,4.913
  pour cut-out: 29.811,6.263 29.811,5.063 29.211,5.063 29.211,6.263
Mid-Layer 2:
  pour cut-out: 31.2,3.05 31.2,1.45 32,1.45 32,3.05
  pour cut-out: 29.811,6.263 29.811,5.063 29.211,5.063 29.211,6.263
  pour cut-out: 30.411,4.313 29.211,4.313 29.211,4.913 30.411,4.913
  pour cut-out: 29.225,2.94 29.225,4.14 29.825,4.14 29.825,2.94
  pour cut-out: 28.544,2.1 29.744,2.1 29.744,1.5 28.544,1.5
  pour cut-out: 25.675,2.15 26.875,2.15 26.875,1.55 25.675,1.55
  pour cut-out: 27.625,2.115 27.625,0.915 27.025,0.915 27.025,2.115
  pour cut-out: 28.378,2.115 28.378,0.915 27.778,0.915 27.778,2.115
Multi-Layer:
  pour cut-out: 32,30 31.75,30 31.75,16.75 32,16.75
  pour cut-out: 40,30 32,30 32,0 40,0
  pour cut-out: -2.262,30 1,30 1,0 -2.262,0

## Silkscreen, mask and mechanical layers (free items; w line width, h text height)
Top Overlay:
  drawing of 643 lines, arcs and shapes, not listed
  text "RST" at 17.125,27.775 h1.3 r90
  text "EISK" at 33.5,26 h1.5 r90
  text "v0.1.2" at 35,26 h1.5 r90
  text "ON" at -9.25,24.75 h1.5 r180
  text "OFF" at -4,24.75 h1.5 r180
  text "VSYS" at 13,22.925 h1.2
  text "GND" at 6.55,16.8 h1.3 r90
  text "VREG" at 16.333,14.133 h1.3
  text "LTE" at 24.075,8.7 h1.3 r90
  text "GPS" at 28.025,3.95 h1.3 r90
  text "P0.19" at 13.95,3.55 h1.3 r90
  text "P0.18" at 15.142,3.55 h1.3 r90
  text "P0.17" at 16.333,3.55 h1.3 r90
  text "P0.16" at 17.525,3.55 h1.3 r90
Bottom Overlay:
  rectangle: -12.457,14.601 -7.625,16.1
  rectangle: -12.431,14.449 -2.5,14.703
  rectangle: -8.977,15.973 -2.475,16.125
  rectangle: -12.457,15.948 -2.551,16.1
  rectangle: -3.008,14.652 -2.525,16.024
  rectangle: -3.008,7.152 -2.526,8.523
  rectangle: -12.457,8.447 -2.551,8.6
  rectangle: -8.977,8.473 -2.475,8.625
  rectangle: -12.432,6.949 -2.5,7.203
  rectangle: -12.457,7.101 -5.802,8.6
  rectangle: -3.008,25.252 -2.526,26.623
  rectangle: -11.919,26.547 -2.551,26.7
  rectangle: -8.977,26.573 -2.475,26.725
  rectangle: -12.377,25.049 -2.5,25.303
  lines w0.125: -9.071,18.267 -6.571,18.267 ; -9.071,20.401 -6.571,20.401
  lines w0.127: -12.453,22.89 -2.5,22.89 ; -12.432,2.631 -2.5,2.631 ; -12.406,4.79 -2.5,4.79 ; -12.402,18.597 -2.5,18.597 ; -12.377,20.731 -2.5,20.731
  lines w0.203: -12.432,2.631 -12.432,2.326 ccw(c-10.578,2.326) -10.578,0.472 -9.9,0.472 ; -12.427,2.631 -12.427,8.6 ; -12.427,12.297 -12.427,16.1 ; -12.406,12.29 -2.5,12.29 ; -12.377,8.6 -2.5,8.6 -2.5,0.472 -10,0.472 ; -12.376,16.1 -2.5,16.1 -2.5,12.322 ; -12.427,16.474 -2.5,16.474 -2.5,26.7 -12.427,26.7 -12.427,16.474
  text "UART FTDI" at -3.004,25.303 h1.91
  text "TXD" at -6.564,23.398 h1.91
  text "TP1" at -3.008,23.398 h1.91
  text "RXD" at -6.564,21.239 h1.91
  text "TP2" at -3.008,21.239 h1.91
  text "RTS" at -6.564,19.08 h1.91
  text "TP3" at -3.008,19.08 h1.91
  text "CTS" at -6.564,16.946 h1.91
  text "TP4" at -3.008,16.946 h1.91
  text "ADXL" at -3.003,14.703 h1.91
  text "CS" at -6.564,12.798 h1.91
  text "TP5" at -3.008,12.798 h1.91
  text "SWDIO" at 3.3,7.4 h0.5
  text "VDD" at 11.9,7.4 h0.5
  text "SPI" at -3.004,7.203 h1.91
  text "SWDCLK" at 3.3,6.1 h0.5
  text "GND" at 11.9,6.1 h0.5
  text "SCK" at -6.564,5.298 h1.91
  text "TP6" at -3.008,5.298 h1.91
  text "GND" at 11.9,4.8 h0.5
  text "P0.19" at 13.5,3.3 h1.5 r270
  text "P0.18" at 16,3.3 h1.5 r270
  text "P0.17" at 18.5,3.3 h1.5 r270
  text "P0.16" at 21.1,3.3 h1.5 r270
  text "MOSI" at -6.564,3.139 h1.91
  text "TP7" at -3.008,3.139 h1.91
  text "RESET" at 3.3,2.3 h0.5
  text "GND" at 11.9,2.3 h0.5
  text "MISO" at -6.564,0.98 h1.91
  text "TP8" at -3.008,0.98 h1.91
Board Outline:
  drawing of 200 lines, arcs and shapes, not listed
Rout Path:
  drawing of 168 lines, arcs and shapes, not listed
Top Impedance Info:
  lines w0.15: 25,11.325 25,2.835 ccw(c25.99,2.835) 25.99,1.845 ; 26.56,1.845 27.325,1.845 28.078,1.845 28.859,1.845 ; 27.233,8.995 27.233,9.35 cw(c28.064,9.35) 27.476,9.938 27.739,10.2 ccw(c27.108,10.831) 27.74,10.201 ccw(c27.108,10.831) 28,10.831 28,11.325 ; 29.429,1.845 30.425,1.845 ; 29.511,5.373 29.519,5.365 29.519,4.615 29.526,4.608 29.526,4.607 29.526,3.821 ; 29.511,5.943 29.516,5.947 29.516,6.616 29.52,6.62 ; 29.525,3.25 ccw(c30.13,3.25) 30.13,2.645 30.425,2.645 ; 30.825,2.25 31.375,2.25 ; 29.525,3.82 29.526,3.821
  text "50 ohm transmission lines" at 24.9,13.2 h0.5
  text "Dielectric thickness: 0.07 mm" at 24.9,12.2 h0.5

## Text inside footprints (layer, text, board x,y; h text height)
LD2: Top Overlay "+" at 15.175,15.025 h0.6
P2: Bottom Overlay "1" at 8.185,8.891 h1.02 r270
P3: Top Overlay "1" at -8.512,7.915 h1.02 r90